# Altium PCB PCB_Vega.PcbDoc (part 1 of 2)
Units mil, origin at the board's own origin, x right, y up, seen from the top; angles counter-clockwise.
Board outline 3630 x 3944 mil, 2 copper layers (Top Layer, Bottom Layer); 154 components, 98 nets, 540 pads, 592 vias.
Unrouted connection lines stored in the file: 2.
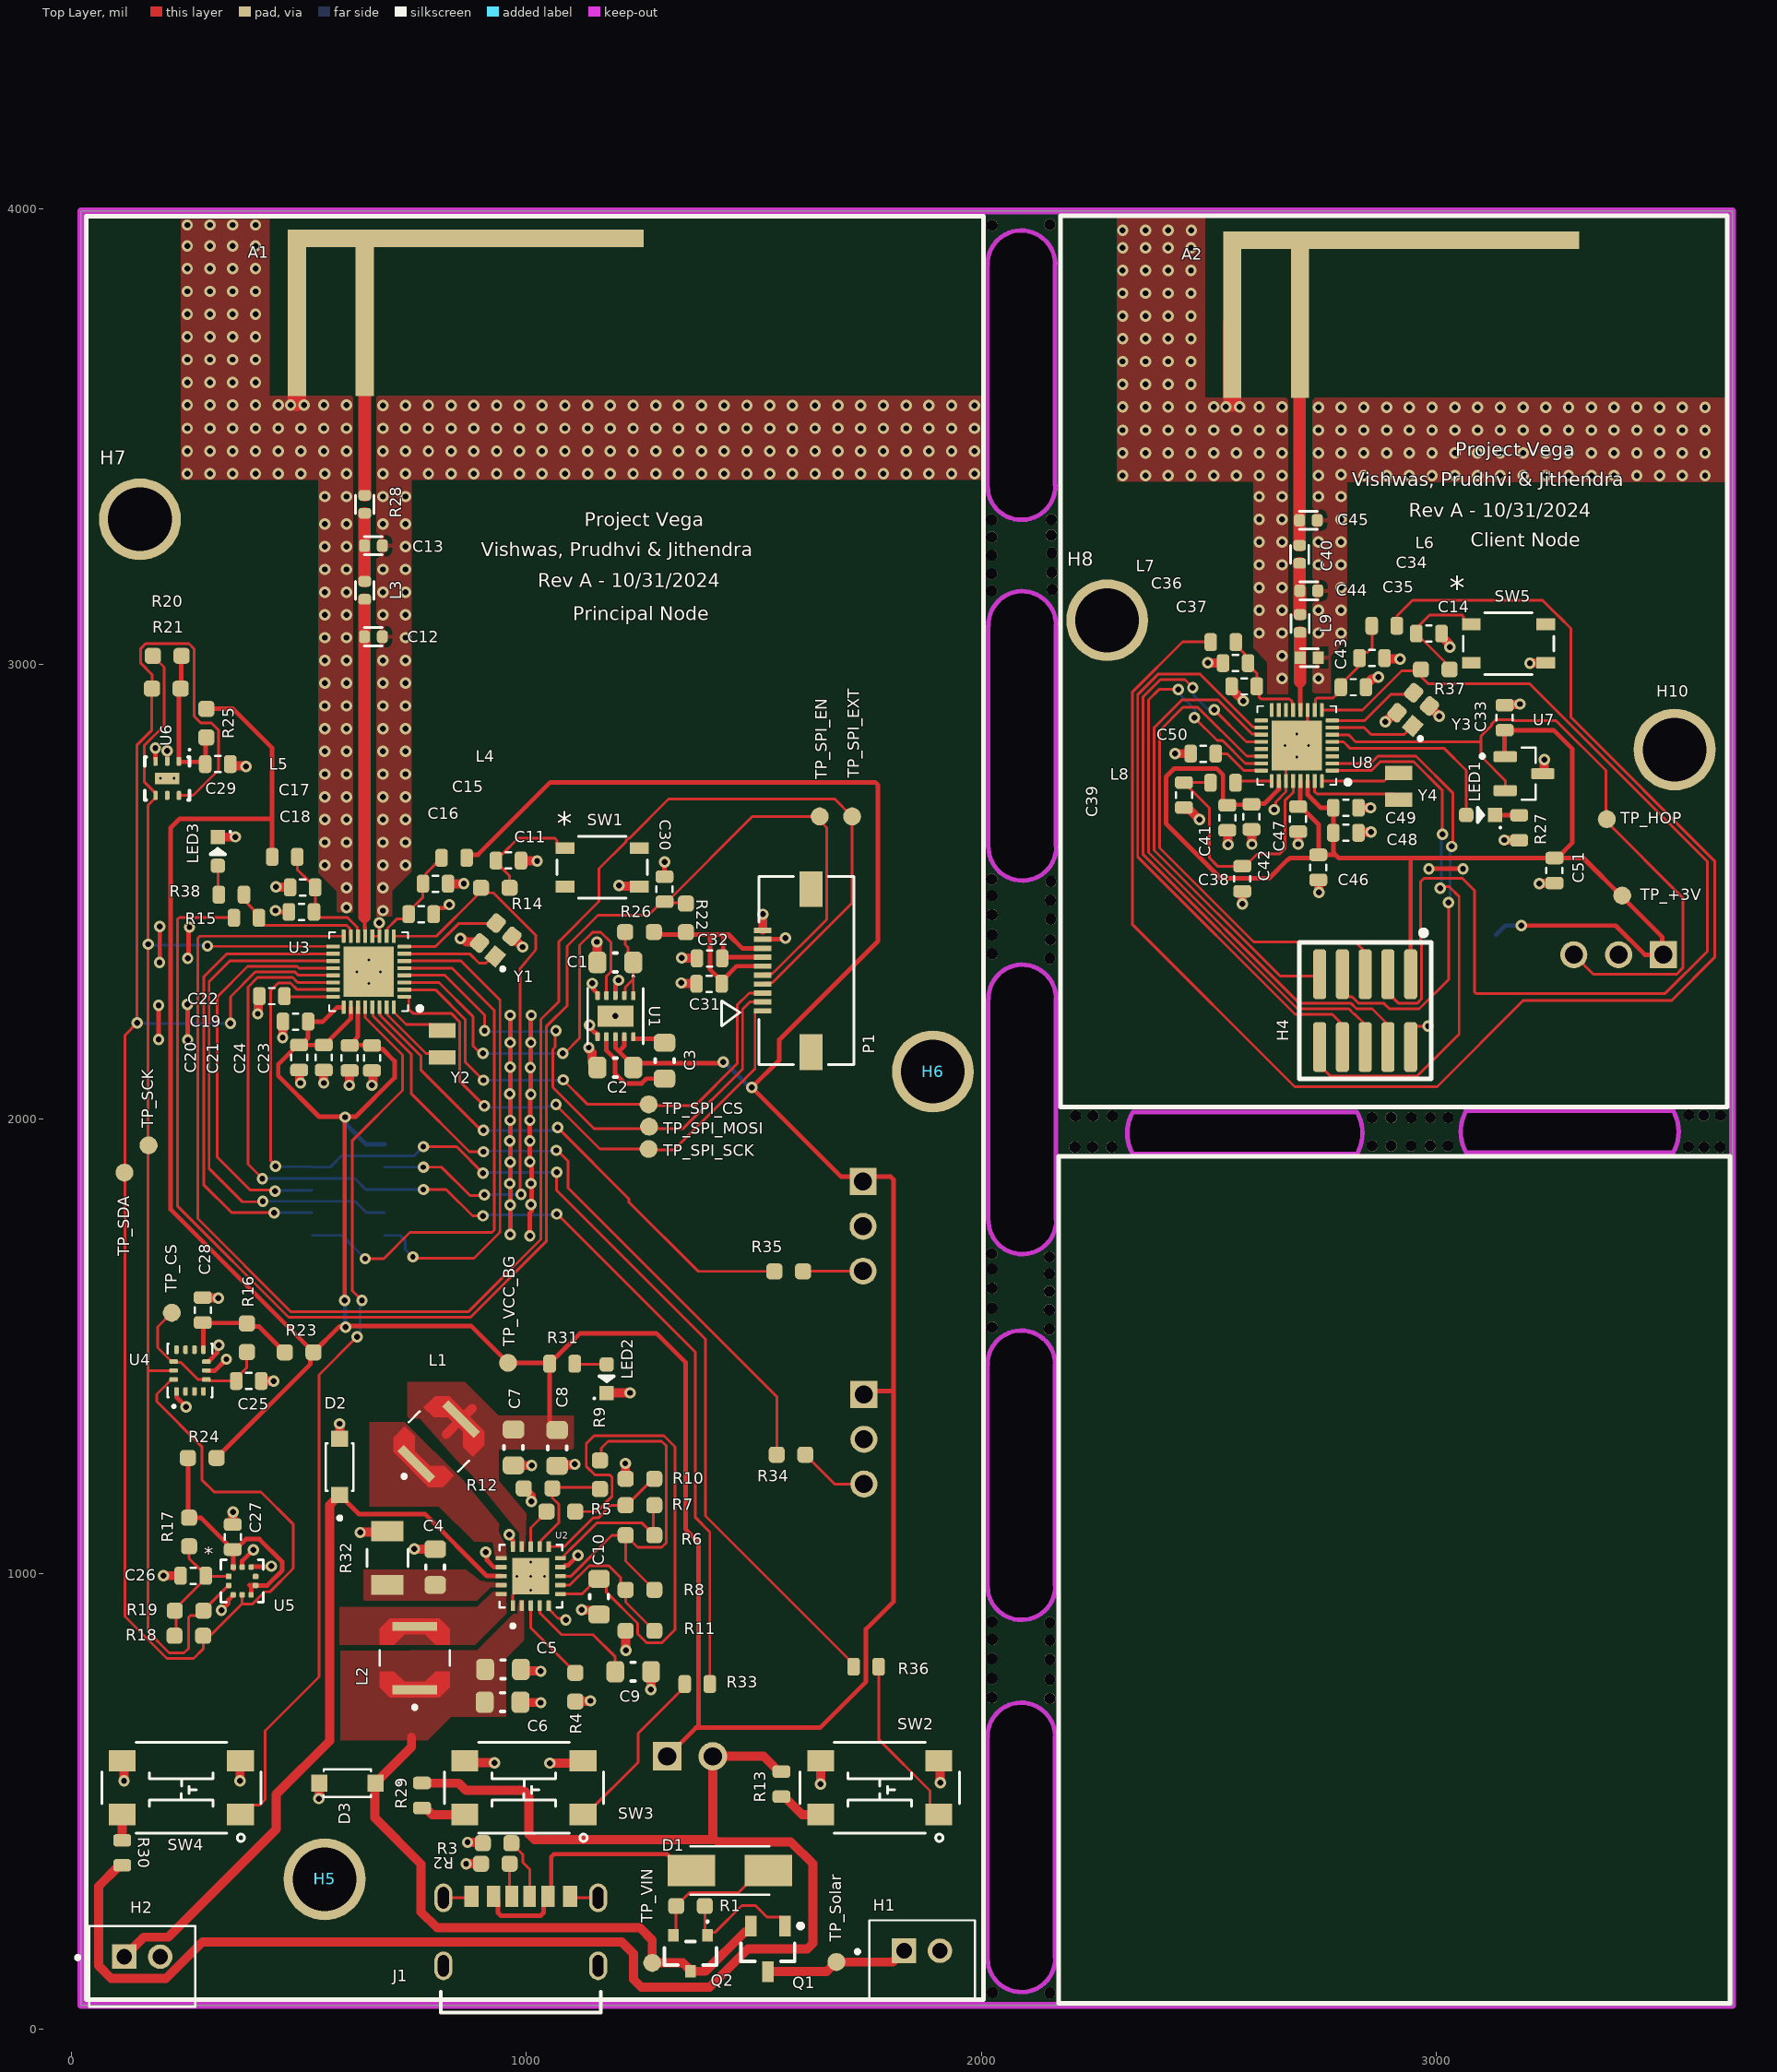
[diagram p0: Top Layer view]
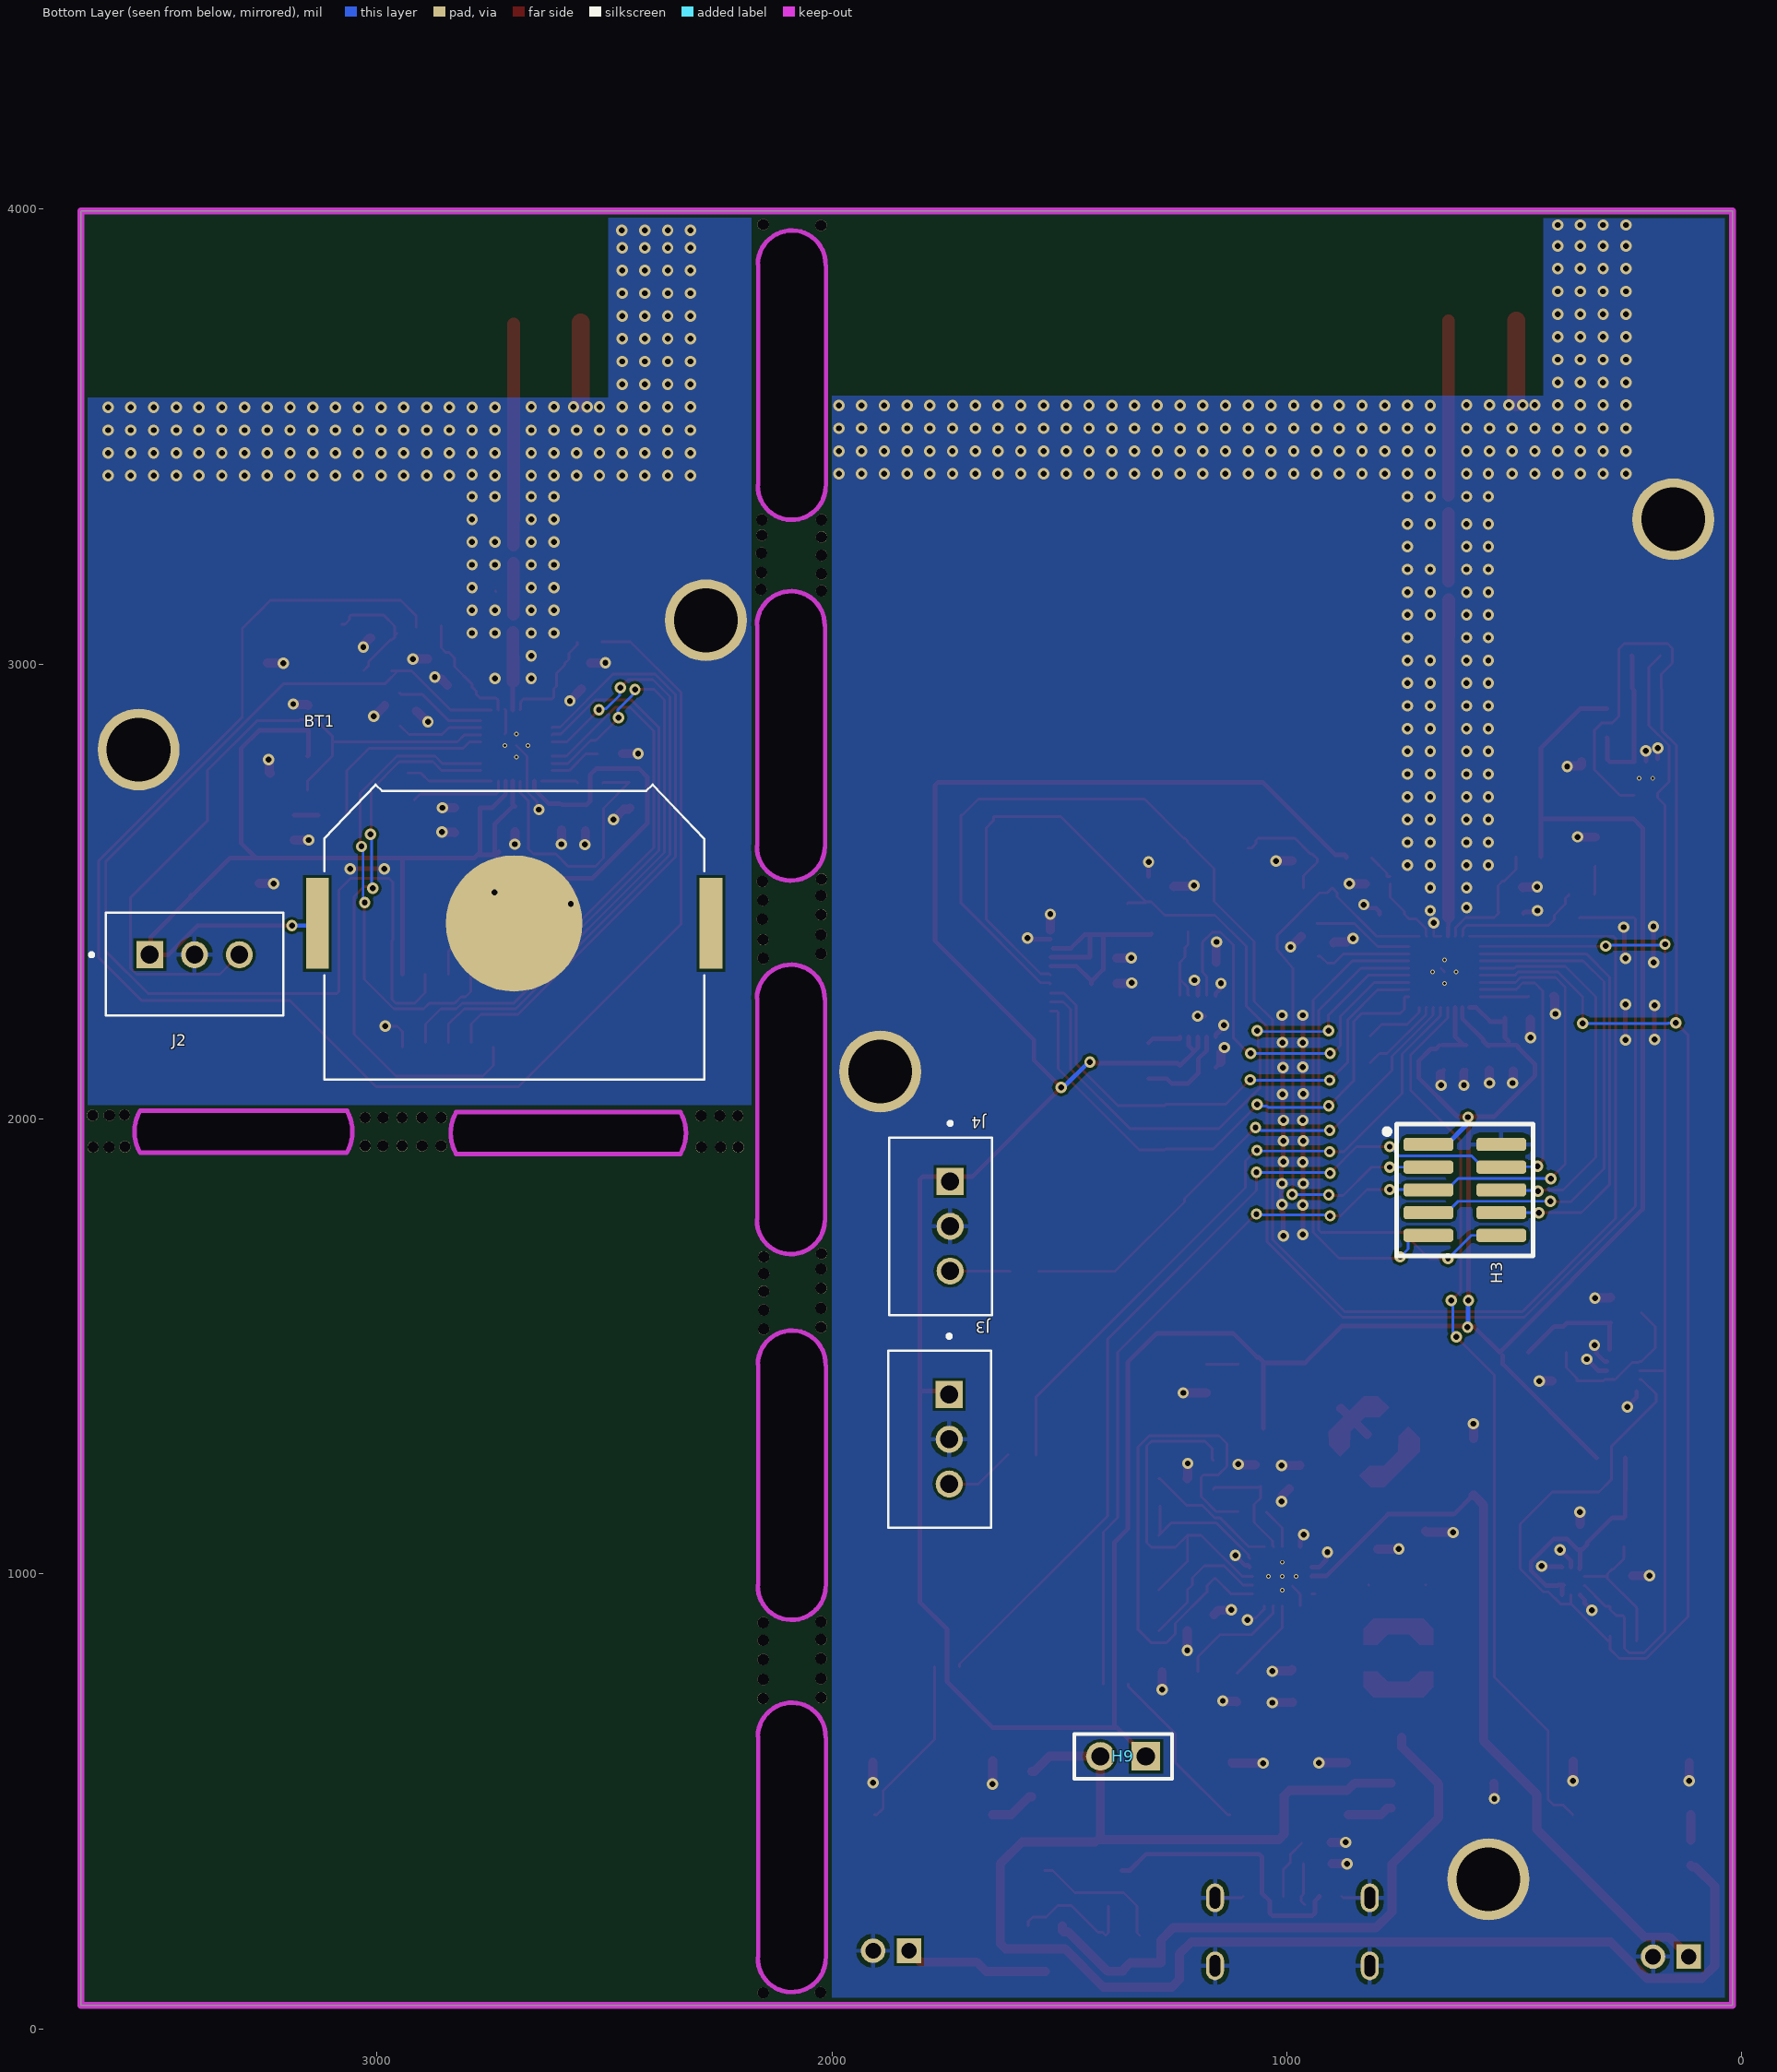
[diagram p1: Bottom Layer view, seen from below]
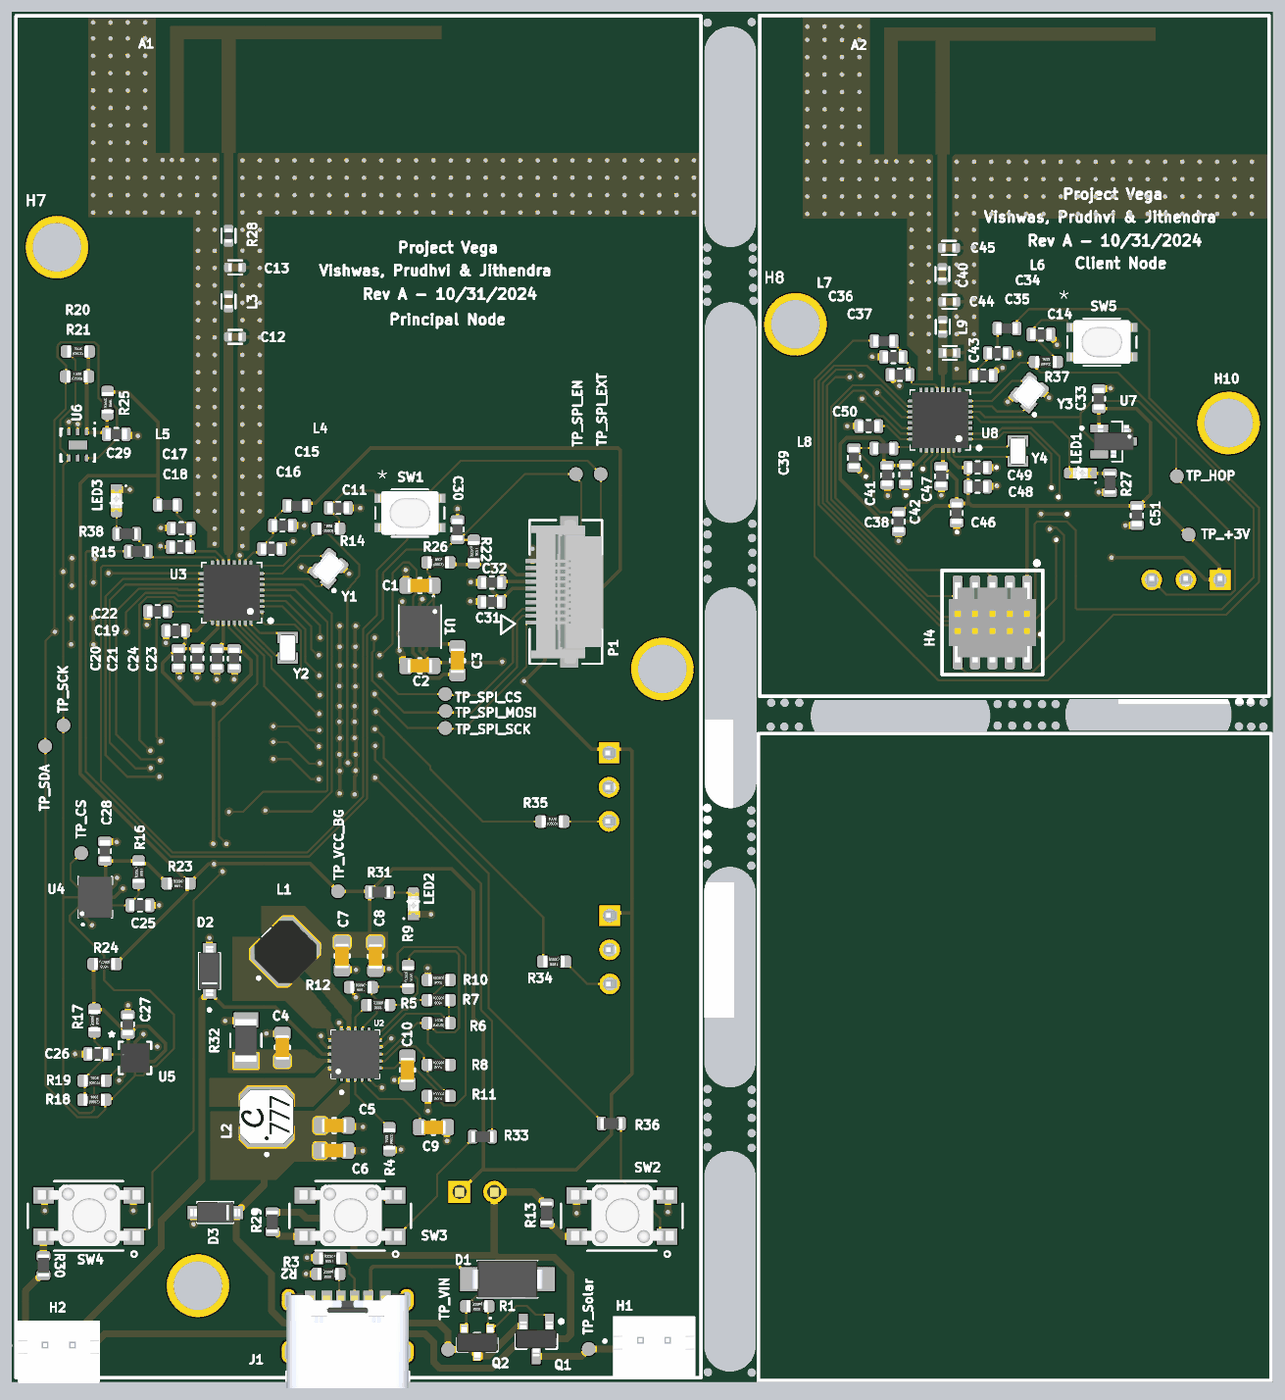
[diagram p3: 3D render of the assembled board from above, using the file's embedded part models]
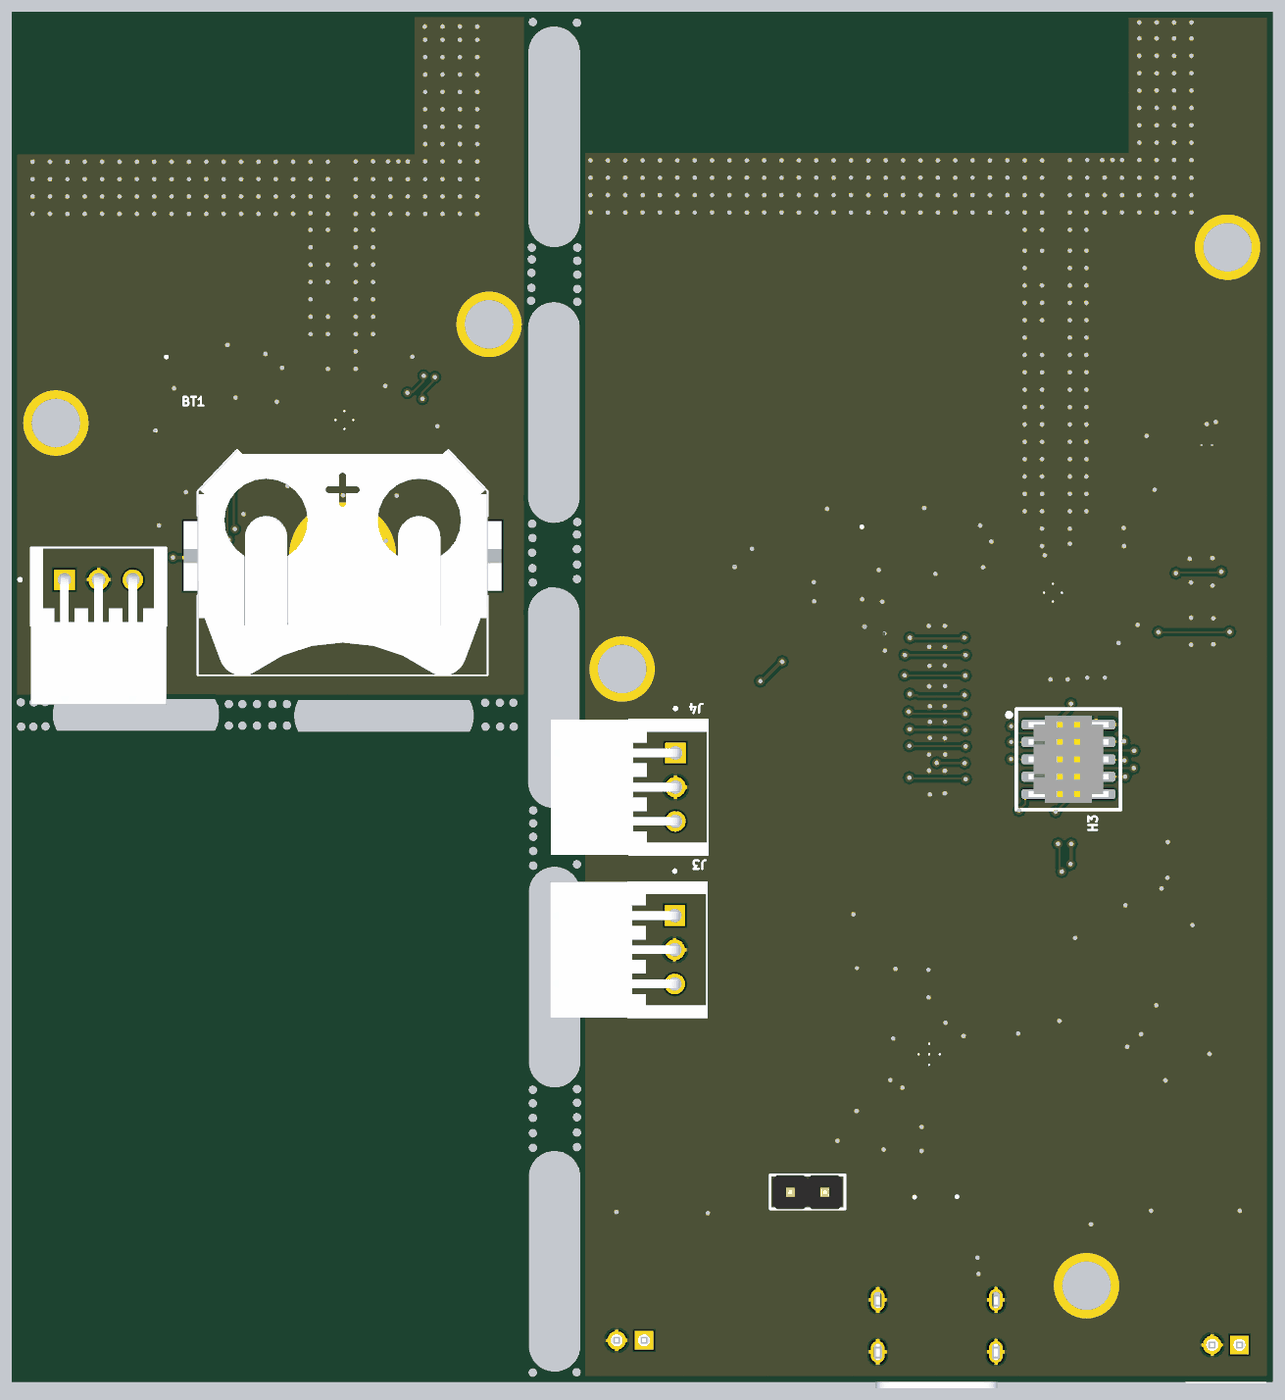
[diagram p4: 3D render of the assembled board from below, using the file's embedded part models]

## Layer stack, top to bottom
Top Solder: solder mask 0.4, Solder Resist, Dk 3.5
Top Layer: signal copper 1.4
Dielectric 1: dielectric 12.6, FR-4, Dk 4.8
Bottom Layer: signal copper 1.4
Bottom Solder: solder mask 0.4, Solder Resist, Dk 3.5

## Board outline
21,52 3651,52 3651,3996 21,3996
cut-out: 2014.97,3392.5 ccw(c2089.49,3392.5) 2164,3392.5 2164,3879 ccw(c2089.49,3879) 2014.97,3879
cut-out: 2015.97,1778 ccw(c2090.49,1778) 2165,1778 2165,2264.5 ccw(c2090.49,2264.5) 2015.97,2264.5
cut-out: 3066,2018 3521,2018 cw(c3441.33,1972) 3521,1926 3066,1926 cw(c3145.67,1972)
cut-out: 2013.97,156 ccw(c2088.49,156) 2163,156 2163,642.5 ccw(c2088.49,642.5) 2013.97,642.5
cut-out: 2013.97,974 ccw(c2088.49,974) 2163,974 2163,1460.5 ccw(c2088.49,1460.5) 2013.97,1460.5
cut-out: 2015.97,2599 ccw(c2090.49,2599) 2165,2599 2165,3085.5 ccw(c2090.49,3085.5) 2015.97,3085.5
cut-out: 2333,2015 2826,2015 cw(c2746.33,1969) 2826,1923 2333,1923 cw(c2412.67,1969)

## Design rules (kind name [scope] priority, off if disabled: settings)
Clearance [All] p1: gap=6 ignorepadtopadclearanceinfootprint=TRUE except(0: SMDPad-SMDPad; 4: SMDPad-Text; 8: Arc-Fill Arc-Poly Arc-Region Track-Fill Track-Poly Track-Region Fill-Fill Fill-Poly Fill-Region Poly-Poly Poly-Region Region-Region)
ComponentClearance [All] p1 off: gap=10 collisioncheckmode=3 verticalgap=1 showdistances=FALSE
HoleSize [All] p1: absolutevalues=TRUE maxlimit=150 minlimit=1 maxpercent=80.000 minpercent=20.000
HoleToHoleClearance [All] p1: gap=4 allowstackedmicrovias=TRUE
MinimumSolderMaskSliver [All] p1: minsoldermaskwidth=1
PlaneClearance [All] p1: clearance=10
PlaneConnect [All] p1: planeconnectstyle=Relief reliefexpansion=20 reliefentries=4 reliefconductorwidth=10 reliefairgap=6
PolygonConnect TopLayerGNDPour [IsNamedPolygon('GND_L01_P014','GND_L01_P017')] p1: thpad.connectstyle=Relief thpad.reliefconductorwidth=10 thpad.reliefentries=4 thpad.polygonreliefangle="90 Angle" thpad.airgapwidth=10 smdpad.connectstyle=Relief smdpad.reliefconductorwidth=10 smdpad.reliefentries=4 smdpad.polygonreliefangle="90 Angle" smdpad.airgapwidth=10 via.connectstyle=Direct via.reliefconductorwidth=10 via.reliefentries=4 via.polygonreliefangle="90 Angle" via.airgapwidth=10
PolygonConnect TopLayerPolygons [All] p2: connectstyle=Direct reliefconductorwidth=10 reliefentries=4 polygonreliefangle="90 Angle" airgapwidth=10
PolygonConnect [All] p3: thpad.connectstyle=Relief thpad.reliefconductorwidth=10 thpad.reliefentries=4 thpad.polygonreliefangle="90 Angle" thpad.airgapwidth=10 smdpad.connectstyle=Direct smdpad.reliefconductorwidth=10 smdpad.reliefentries=4 smdpad.polygonreliefangle="90 Angle" smdpad.airgapwidth=10 via.connectstyle=Direct via.reliefconductorwidth=10 via.reliefentries=4 via.polygonreliefangle="90 Angle" via.airgapwidth=10
RoutingVias [All] p1: holewidth=12 width=25 viastyle="Through Hole" minholewidth=6 minwidth=10 maxholewidth=25 maxwidth=50
SilkToSilkClearance [All] p1 off: silktosilkclearance=1
SilkToSolderMaskClearance [IsPad] p1: minsilkscreentomaskgap=1 clearancetoexposedcopper=TRUE
SolderMaskExpansion [All] p1: expansion=4 istentingtop=FALSE
SupplyNets "Schematic Supply Nets_7" [InNet('+3V')] p1: voltage=0.000
SupplyNets "Schematic Supply Nets_8" [InNet('5V_VDD_LCD')] p2: voltage=0.000
SupplyNets "Schematic Supply Nets_6" [InNet('V_IN')] p3: voltage=0.000
SupplyNets "Schematic Supply Nets_5" [InNet('3V3_VDD_BMI270')] p4: voltage=0.000
SupplyNets "Schematic Supply Nets_4" [InNet('3V3_VDD_OPT3007')] p5: voltage=0.000
SupplyNets "Schematic Supply Nets_3" [InNet('GND')] p6: voltage=0.000
SupplyNets "Schematic Supply Nets_2" [InNet('5V')] p7: voltage=0.000
SupplyNets "Schematic Supply Nets_1" [InNet('VCC_BG')] p8: voltage=0.000
SupplyNets "Schematic Supply Nets" [InNet('3V3_VDD_BMP581')] p9: voltage=0.000
Width "Schematic Width Constraint_9" [InNet('VCC_BG')] p1: maxlimit=20 minlimit=6 preferedwidth=20 minimp=50.000000 maximp=50.000000 favimp=50.000000
Width "Schematic Width Constraint_7" [InNet('3V3_VDD_BMP581')] p2: maxlimit=10 minlimit=10 preferedwidth=10
Width "Schematic Width Constraint_6" [InNet('3V3_VDD_BMI270')] p3: maxlimit=10 minlimit=10 preferedwidth=10
Width "Schematic Width Constraint_2" [InNet('5V_VDD_LCD')] p4: maxlimit=20 minlimit=10 preferedwidth=20 minimp=50.000000 maximp=50.000000 favimp=50.000000
Width "Schematic Width Constraint_1" [InNet('3V3_VDD_OPT3007')] p5: maxlimit=10 minlimit=10 preferedwidth=10
Width [All] p6: maxlimit=30 minlimit=6 preferedwidth=6 minimp=50.000000 maximp=50.000000 favimp=50.000000
22 further rules are at their usual default settings.

## Classes and differential pairs
component class Project_Node_Sensors: C25 C26 C27 C28 C29 C30 C31 C32 P1 R16 R17 R18 R19 R20 R21 R22 R23 R24 R25 R26 TP_CS TP_SCK TP_SDA TP_SPI_CS TP_SPI_EN TP_SPI_EXT TP_SPI_MOSI TP_SPI_SCK U4 U5 U6
component class Principal_Node: A1 C11 C12 C13 C15 C16 C17 C18 C19 C20 C21 C22 C23 C24 H3 L3 L4 L5 LED3 R14 R15 R28 R33 R34 R35 R36 R38 SW1 U3 Y1 Y2
component class Power_Sheet: C4 C5 C6 C7 C8 C9 C10 D2 D3 H2 L1 L2 LED2 R4 R5 R6 R7 R8 R9 R10 R11 R12 R31 R32 TP_VCC_BG U2
component class Input_power: C1 C2 C3 D1 H1 H5 H6 H7 H9 J1 J3 J4 Q1 Q2 R1 R2 R3 R13 R29 R30 SW2 SW3 SW4 TP_Solar TP_VIN U1
component class Client_Node_2: C14 C50 R37 SW5 U8
component class Client_Node_1: A2 BT1 C33 C34 C35 C36 C37 C38 C39 C40 C41 C42 C43 C44 C45 C46 C47 C48 C49 C51 H4 H8 H10 J2 L6 L7 L8 L9 LED1 R27 TP_+3V TP_HOP U7 Y3 Y4
